# Altium PCB uTCA_MCH_PCB3.pcbdoc (part 20 of 25) (continued)
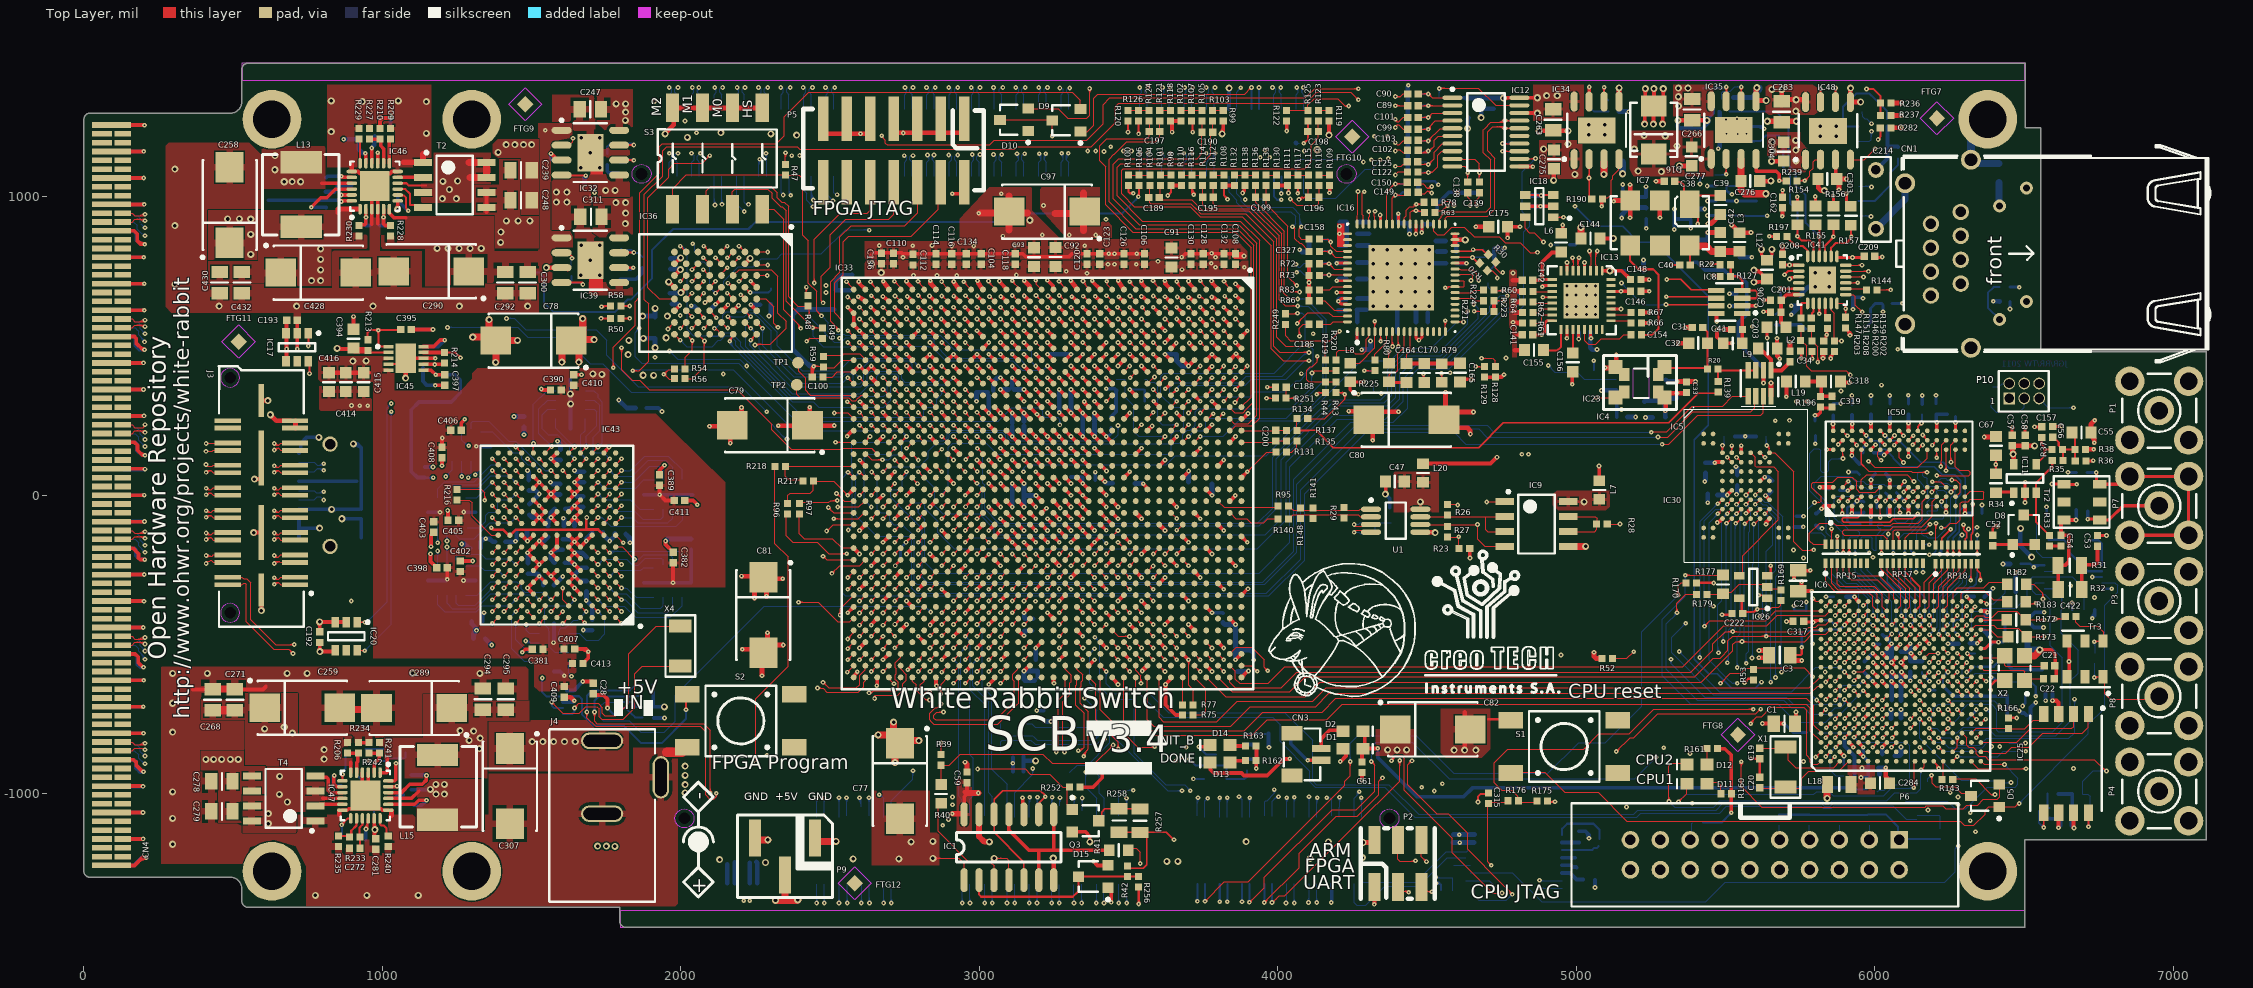
[diagram p0: Top Layer view]
## Nets (pads, with @x,y where several pads share a name; then routed paths per layer and width w, separated by ;. In a path a pad name is that pad's centre, name@x,y a point inside that pad or via, vN(x,y) a via of type N, cw(c..) or ccw(c..) an arc to the next point about the centre after c; other vN are vias at no path point) (continued)
Q2_K_N: IC33.AH24 IC43.A6 | length 2014.8
  Top Layer w3.94: IC43.A6@1584.65,-409.45 v1(1604.33,-389.76) ; v1@1598.43,-389.76 cw(c1584.17,-389.76) 1594.25,-399.84 cw(c1604.33,-409.93) v1@1604.33,-395.67 ; v1(2795.27,-236.22) IC33.AH24@2814.96,-216.54 ; v1@2795.27,-230.32 ccw(c2795.27,-216.06) 2805.36,-226.14 ccw(c2815.44,-236.22) v1@2801.18,-236.22
  MidLayer4 w3.94: v1(1604.33,-389.76) 1618.11,-389.76 ; v1@1608.61,-393.84 cw(c1618.11,-402.89) 1618.11,-389.76 ; v1@1608.61,-385.69 ccw(c1618.11,-376.64) 1618.11,-389.76 ; v1@2789.37,-236.22 ccw(c2775.11,-236.22) 2785.19,-226.14 ccw(c2795.27,-216.06) v1@2795.27,-230.32 ; v1(2795.27,-236.22) 2768.7,-209.65 2750.6,-209.65 2745.69,-204.73 2726.75,-204.73 2721.83,-209.65 2711.23,-209.65 2707.1,-205.51 2686.6,-205.51 2680.1,-212.01 2673.82,-212.01 2650.59,-235.25 2650.59,-241.52 2643.1,-249.02 2632.5,-249.02 2624.42,-240.94 2485.84,-240.94 2456.12,-270.66 2456.12,-277.78 2465.39,-287.05 2465.39,-305.93 2441.73,-329.59 2422.85,-329.59 2391.31,-298.04 2384.19,-298.04 2368.86,-313.38 2368.86,-320.49 2378.13,-329.77 2378.13,-348.65 2360.72,-366.06 2262.99,-366.06 2257.52,-371.53 2257.52,-413.56 2244.17,-426.91 2210.72,-426.91 2197.37,-413.56 2197.37,-368.95 2192.34,-363.92 2170.65,-363.92 2165.62,-368.95 2165.62,-413.56 2152.27,-426.91 2118.81,-426.91 2105.46,-413.56 2105.46,-368.95 2100.43,-363.92 2078.74,-363.92 2073.71,-368.95 2073.71,-413.56 2060.36,-426.91 2026.91,-426.91 2013.56,-413.56 2013.56,-368.95 2008.53,-363.92 1986.84,-363.92 1981.81,-368.95 1981.81,-413.56 1968.46,-426.91 1935,-426.91 1921.65,-413.56 1921.65,-368.95 1916.62,-363.92 1882.14,-363.92 1850.65,-395.42 1820.58,-395.42 1808.52,-407.48 1779.53,-407.48 1767.59,-419.42 1767.59,-422.39 1762.82,-427.17 1748.49,-427.17 1743.72,-422.39 1743.72,-412.26 1738.94,-407.48 1724.62,-407.48 1719.84,-412.26 1719.84,-416.99 1715.07,-421.77 1700.74,-421.77 1695.97,-416.99 1695.97,-412.26 1691.19,-407.48 1677.16,-407.48 1672.09,-412.55 1664.81,-419.83 1648.18,-419.83 1635.83,-407.48 1618.11,-389.76
Q2_K_P: IC33.AH23 IC43.B6 | length 2000.9
  Top Layer w3.94: v1(1564.96,-389.76) IC43.B6@1584.65,-370.08 ; v1@1564.96,-383.86 ccw(c1564.96,-369.6) 1575.04,-379.68 ccw(c1585.12,-389.76) v1@1570.87,-389.76 ; v1(2795.27,-196.85) IC33.AH23@2814.96,-177.17 ; v1@2795.27,-190.95 ccw(c2795.27,-176.69) 2805.36,-186.77 ccw(c2815.44,-196.85) v1@2801.18,-196.85
  MidLayer4 w3.94: v1@1564.96,-383.86 ccw(c1564.96,-369.6) 1575.04,-379.68 ccw(c1585.12,-389.76) v1@1570.87,-389.76 ; v1@1566.93,-387.8 1587.04,-367.69 1632,-367.69 1636.36,-372.05 1808.52,-372.05 1817.68,-381.21 1844.76,-381.21 1876.26,-349.72 1922.5,-349.72 1935.86,-363.07 1935.86,-407.68 1940.89,-412.71 1962.57,-412.71 1967.6,-407.68 1967.6,-363.07 1980.95,-349.72 2014.41,-349.72 2027.76,-363.07 2027.76,-407.68 2032.79,-412.71 2054.48,-412.71 2059.51,-407.68 2059.51,-363.07 2072.86,-349.72 2106.32,-349.72 2119.67,-363.07 2119.67,-407.68 2124.7,-412.71 2146.38,-412.71 2151.41,-407.68 2151.41,-363.07 2164.77,-349.72 2198.22,-349.72 2211.57,-363.07 2211.57,-407.68 2216.6,-412.71 2238.29,-412.71 2243.32,-407.68 2243.32,-366.88 2257.13,-353.07 2353.62,-353.07 2363.93,-342.77 2363.93,-335.65 2354.65,-326.38 2354.65,-307.5 2378.31,-283.84 2397.19,-283.84 2428.74,-315.39 2435.85,-315.39 2451.19,-300.05 2451.19,-292.94 2441.91,-283.66 2441.91,-264.78 2479.95,-226.74 2629.18,-226.74 2632.5,-223.43 2642.32,-223.43 2663.78,-201.97 2663.78,-192.14 2671.86,-184.06 2682.46,-184.06 2689.71,-191.31 2703.98,-191.31 2711.23,-184.06 2721.83,-184.06 2728.31,-190.53 2744.13,-190.53 2750.6,-184.05 2782.48,-184.05 v1(2795.27,-196.85) ; v1@2789.37,-196.85 ccw(c2775.11,-196.85) 2785.19,-186.77 ccw(c2795.27,-176.69) v1@2795.27,-190.95
Q2_Q0: IC33.AE19 IC43.P11 | length 2033.7
  Top Layer w3.94: v1@1368.11,116.14 cw(c1368.11,101.88) 1378.19,111.97 cw(c1388.27,122.05) v1@1374.02,122.05 ; v1(1368.11,122.05) IC43.P11@1387.8,102.36 ; v1(2913.39,-39.37) IC33.AE19@2933.07,-19.68 ; v1@2913.39,-33.46 ccw(c2913.39,-19.21) 2923.47,-29.29 ccw(c2933.55,-39.37) v1@2919.29,-39.37
  MidLayer2 w3.94: v1@1368.11,116.14 cw(c1368.11,101.88) 1378.19,111.97 cw(c1388.27,122.05) v1@1374.02,122.05 ; v1(1368.11,122.05) 1387.8,102.36 1452.76,102.36 1466.54,116.14 1466.54,133.86 1477.19,144.51 1532.59,144.51 1548.05,159.97 1548.05,168.42 1741.83,362.2 2483.07,362.2 2592.14,253.13 2644.8,253.13 2660.25,237.68 2660.25,229.22 2675.71,213.76 2684.17,213.76 2699.62,198.31 2699.62,189.85 2709.53,179.94 2717.99,179.94 2738.99,158.94 2738.99,150.48 2745.95,143.52 2758.05,143.52 2780.11,121.46 2780.11,112.14 2796.6,95.65 2805.92,95.65 2812.99,88.58 2812.99,72.83 2826.77,59.06 2842.52,59.06 2890.92,10.65 2890.92,-16.91 v1(2913.39,-39.37) ; v1@2907.48,-39.37 ccw(c2893.23,-39.37) 2903.31,-29.29 ccw(c2913.39,-19.2) v1@2913.39,-33.46
Q2_Q1: IC33.AK19 IC43.M10 | length 2013.3
  Top Layer w3.94: v1@1407.48,37.4 cw(c1407.48,23.14) 1417.56,33.23 cw(c1427.64,43.31) v1@1413.39,43.31 ; v1(1407.48,43.31) IC43.M10@1427.17,23.62 ; v1(2716.54,-39.37) IC33.AK19@2736.22,-19.68 ; v1@2716.54,-33.46 ccw(c2716.54,-19.21) 2726.62,-29.29 ccw(c2736.7,-39.37) v1@2722.44,-39.37
  MidLayer2 w3.94: v1(1407.48,43.31) 1427.16,62.99 1529.82,62.99 1545.28,78.45 1545.28,86.61 1559.06,100.39 1576.77,100.39 1620.08,143.7 1620.08,165.35 1787.4,332.68 1820.34,332.68 1828.21,340.55 1838.36,340.55 1846.23,332.68 1860.92,332.68 1868.79,340.55 1878.94,340.55 1886.81,332.68 1901.5,332.68 1909.38,340.55 1919.52,340.55 1927.4,332.68 1942.08,332.68 1949.96,340.55 1960.1,340.55 1967.98,332.68 1982.67,332.68 1990.54,340.55 2000.69,340.55 2008.56,332.68 2023.25,332.68 2031.12,340.55 2041.27,340.55 2049.14,332.68 2063.83,332.68 2071.71,340.55 2081.85,340.55 2089.73,332.68 2104.41,332.68 2112.29,340.55 2122.43,340.55 2130.31,332.68 2145,332.68 2152.87,340.55 2163.02,340.55 2170.89,332.68 2185.58,332.68 2193.45,340.55 2203.6,340.55 2211.47,332.68 2226.16,332.68 2234.04,340.55 2244.18,340.55 2252.06,332.68 2266.75,332.68 2274.62,340.55 2284.76,340.55 2292.64,332.68 2307.33,332.68 2315.2,340.55 2325.35,340.55 2333.22,332.68 2347.91,332.68 2355.78,340.55 2365.93,340.55 2373.8,332.68 2388.49,332.68 2396.37,340.55 2406.51,340.55 2414.39,332.68 2429.08,332.68 2436.95,340.55 2447.1,340.55 2454.97,332.68 2474.88,332.68 2572.3,235.26 2572.3,225.4 2623.31,174.39 2644.8,174.39 2657.48,161.71 2657.48,76.77 2671.26,62.99 2726.38,62.99 2738.19,51.18 2738.19,35.43 2726.38,23.62 2712.6,23.62 ; v1@1407.48,49.21 ccw(c1407.48,63.47) 1417.56,53.39 ccw(c1427.64,43.31) v1@1413.39,43.31 ; 2696.76,7.96 2712.25,23.44 ; 2696.85,7.87 2696.85,-19.69 v1(2716.54,-39.37) ; v1@2710.63,-39.37 ccw(c2696.38,-39.37) 2706.46,-29.29 ccw(c2716.54,-19.2) v1@2716.54,-33.46
Q2_Q2: IC33.AN18 IC43.L11 | length 1994.4
  Top Layer w3.94: v1@1368.11,-1.97 cw(c1368.11,-16.23) 1378.19,-6.14 cw(c1388.27,3.94) v1@1374.02,3.94 ; v1(1368.11,3.94) IC43.L11@1387.8,-15.75 ; v1(2598.43,0) IC33.AN18@2618.11,19.69 ; v1@2598.43,5.91 ccw(c2598.43,20.16) 2608.51,10.08 ccw(c2618.59,0) v1@2604.33,0
  MidLayer2 w3.94: v1@1368.11,-1.97 cw(c1368.11,-16.23) 1378.19,-6.14 cw(c1388.27,3.94) v1@1374.02,3.94 ; v1(1368.11,3.94) 1387.79,-15.75 1569.19,-15.75 1601.73,16.8 1601.73,56.16 1619.24,73.67 1619.24,91.68 1631.89,104.33 1649.61,104.33 ; 1649.75,104.18 1666.16,120.59 1666.16,129.05 1681.62,144.51 1690.08,144.51 1705.53,159.97 1705.53,168.42 1714.86,177.75 1714.86,184.92 1710.9,188.89 1710.9,196.06 1718.07,203.23 1725.25,203.23 1738.59,189.89 1745.76,189.89 1752.94,197.06 1752.94,204.24 1739.59,217.58 1739.59,224.76 1746.77,231.93 1753.94,231.93 1757.9,227.97 1765.08,227.97 1772.25,235.14 1772.25,242.32 1768.29,246.28 1768.29,253.45 1775.46,260.63 1782.64,260.63 1786.6,256.66 1793.77,256.66 1800.95,263.84 1800.95,271.01 1796.99,274.97 1796.99,282.15 1804.16,289.32 1811.33,289.32 1815.3,285.36 1822.47,285.36 1844.2,307.09 1855.98,307.09 1859.92,311.02 1872.34,311.02 1880.21,303.15 1892.63,303.15 1900.5,311.02 1912.92,311.02 1916.86,307.09 1937.15,307.09 1941.08,311.02 1953.5,311.02 1961.37,303.15 1973.79,303.15 1981.67,311.02 1994.08,311.02 2001.96,303.15 2014.37,303.15 2022.25,311.02 2034.67,311.02 2042.54,303.15 2054.96,303.15 2062.83,311.02 2075.25,311.02 2083.12,303.15 2095.54,303.15 2103.41,311.02 2115.83,311.02 2123.71,303.15 2136.12,303.15 2144,311.02 2156.41,311.02 2164.29,303.15 2174.47,303.15 2188.59,317.27 2231.33,317.27 2245.45,303.15 2257.87,303.15 2265.74,311.02 2278.16,311.02 2286.04,303.15 2298.45,303.15 2306.33,311.02 2318.74,311.02 2326.62,303.15 2339.04,303.15 2346.91,311.02 2359.33,311.02 2367.2,303.15 2379.62,303.15 2383.56,307.09 2390.95,307.09 2444.1,253.94 2450.79,253.94 2459.92,244.81 2471.05,244.81 2478.23,237.63 2478.23,230.46 2476.25,228.48 2474.27,226.5 2474.27,219.32 2481.44,212.15 2492.58,212.15 2503.94,200.79 2518.01,200.79 2547.87,170.92 2547.87,163.75 2543.91,159.79 2543.91,152.61 2551.08,145.44 2558.26,145.44 2562.22,149.4 2569.39,149.4 2576.77,142.02 2576.77,70.87 2598.42,49.21 ; v1(2598.43,0) 2616.14,17.72 2616.14,31.5 2598.43,49.21 ; v1@2598.43,5.91 ccw(c2598.43,20.16) 2608.51,10.08 ccw(c2618.59,0) v1@2604.33,0
Q2_Q3: IC33.AD20 IC43.K11 | length 1997.8
  Top Layer w3.94: v1@1368.11,-41.34 cw(c1368.11,-55.6) 1378.19,-45.51 cw(c1388.27,-35.43) v1@1374.02,-35.43 ; v1(1368.11,-35.43) IC43.K11@1387.8,-55.12 ; v1(2952.76,-78.74) IC33.AD20@2972.44,-59.06 ; v1@2952.76,-72.83 ccw(c2952.76,-58.58) 2962.84,-68.66 ccw(c2972.92,-78.74) v1@2958.66,-78.74
  MidLayer2 w3.94: v1@1368.11,-41.34 cw(c1368.11,-55.6) 1378.19,-45.51 cw(c1388.27,-35.43) v1@1374.02,-35.43 ; v1(1368.11,-35.43) 1390.57,-57.89 1453.85,-57.89 1469.31,-73.35 1469.31,-81.81 1489.87,-102.36 2023.38,-102.36 2031.26,-94.49 2041.4,-94.49 2046.48,-99.56 2046.48,-105.16 2051.55,-110.24 2061.7,-110.24 2066.77,-105.16 2066.77,-99.56 2071.84,-94.49 2081.99,-94.49 2087.06,-99.56 2087.06,-105.16 2092.13,-110.24 2102.28,-110.24 2107.35,-105.16 2107.35,-99.56 2112.42,-94.49 2122.57,-94.49 2127.64,-99.56 2127.64,-105.16 2132.72,-110.24 2142.86,-110.24 2147.93,-105.16 2147.93,-99.56 2153.01,-94.49 2163.15,-94.49 2168.22,-99.56 2168.22,-105.16 2173.3,-110.24 2183.44,-110.24 2188.52,-105.16 2188.52,-99.56 2193.59,-94.49 2203.73,-94.49 2208.81,-99.56 2208.81,-105.16 2213.88,-110.24 2224.03,-110.24 2229.1,-105.16 2229.1,-99.56 2234.17,-94.49 2244.32,-94.49 2249.39,-99.56 2249.39,-105.16 2254.46,-110.24 2264.61,-110.24 2269.68,-105.16 2269.68,-99.56 2274.75,-94.49 2284.9,-94.49 2289.97,-99.56 2289.97,-105.16 2295.05,-110.24 2305.19,-110.24 2310.26,-105.16 2310.26,-99.56 2315.34,-94.49 2325.48,-94.49 2330.56,-99.56 2330.56,-105.16 2335.63,-110.24 2345.77,-110.24 2350.85,-105.16 2350.85,-99.56 2355.92,-94.49 2366.07,-94.49 2371.14,-99.56 2371.14,-105.16 2376.21,-110.24 2386.36,-110.24 2394.23,-102.36 2401.57,-102.36 2419.41,-120.2 2419.41,-131.33 2426.58,-138.51 2437.72,-138.51 2454.72,-155.51 2600.98,-155.51 2637.67,-118.82 2686.3,-118.82 2703.92,-101.2 2803.43,-101.2 2865.85,-101.2 2867.82,-99.23 2880.2,-99.23 2882.17,-101.2 2930.3,-101.2 v1(2952.76,-78.74) ; 2942.67,-88.82 ccw(c2932.59,-78.74) v1@2946.85,-78.74 ; 2942.68,-88.82 cw(c2952.76,-98.9) v1@2952.76,-84.65
Q2_Q4: IC33.AK21 IC43.J10 | length 1990.1
  Top Layer w3.94: v1@1407.48,-80.71 cw(c1407.48,-94.97) 1417.56,-84.88 cw(c1427.64,-74.8) v1@1413.39,-74.8 ; v1(1407.48,-74.8) IC43.J10@1427.17,-94.49 ; v1(2716.78,-117.62) IC33.AK21@2735.97,-98.43 ; v1@2716.78,-111.71 ccw(c2716.78,-97.46) 2726.86,-107.54 ccw(c2736.94,-117.62) v1@2722.68,-117.62
  MidLayer2 w3.94: v1@1407.48,-80.71 cw(c1407.48,-94.97) 1417.56,-84.88 cw(c1427.64,-74.8) v1@1413.39,-74.8 ; v1(1407.48,-74.8) 1446.85,-114.17 1921.26,-114.17 1933.07,-125.98 1990.98,-125.98 2003.93,-138.93 2003.93,-144.53 2009,-149.61 2019.14,-149.61 2024.22,-144.53 2024.22,-123.18 2029.29,-118.11 2039.44,-118.11 2044.51,-123.18 2044.51,-144.53 2049.58,-149.61 2059.73,-149.61 2064.8,-144.53 2064.8,-123.18 2069.87,-118.11 2080.02,-118.11 2085.09,-123.18 2085.09,-144.53 2090.16,-149.61 2100.31,-149.61 2105.38,-144.53 2105.38,-123.18 2110.46,-118.11 2120.6,-118.11 2125.67,-123.18 2125.67,-144.53 2130.75,-149.61 2140.89,-149.61 2145.97,-144.53 2145.97,-123.18 2151.04,-118.11 2161.18,-118.11 2166.26,-123.18 2166.26,-144.53 2171.33,-149.61 2181.47,-149.61 2186.55,-144.53 2186.55,-123.18 2191.62,-118.11 2201.77,-118.11 2206.84,-123.18 2206.84,-144.53 2211.91,-149.61 2222.06,-149.61 2227.13,-144.53 2227.13,-123.18 2232.2,-118.11 2242.35,-118.11 2247.42,-123.18 2247.42,-144.53 2252.49,-149.61 2262.64,-149.61 2267.71,-144.53 2267.71,-123.18 2272.79,-118.11 2282.93,-118.11 2288,-123.18 2288,-144.53 2293.08,-149.61 2303.22,-149.61 2308.3,-144.53 2308.3,-123.18 2313.37,-118.11 2323.51,-118.11 2328.59,-123.18 2328.59,-144.53 2333.66,-149.61 2343.81,-149.61 2348.88,-144.53 2348.88,-123.18 2353.95,-118.11 2364.1,-118.11 2369.17,-123.18 2369.17,-144.53 2374.24,-149.61 2384.39,-149.61 2389.46,-144.53 2389.46,-138.93 2394.53,-133.86 2407.48,-133.86 2438.98,-165.35 2604.17,-165.35 2641.49,-128.03 2706.61,-128.03 ; 2707.12,-127.52 cw(c2716.78,-137.18) v1@2716.78,-123.52 ; v1@2710.87,-117.66 cw(c2696.34,-117.75) 2706.61,-128.03 ; v1@2716.53,-118.11 2706.61,-128.03
Q2_Q5: IC33.AK22 IC43.F11 | length 1993
  Top Layer w3.94: v1(1368.11,-232.28) IC43.F11@1387.8,-212.6 ; v1@1368.11,-226.38 ccw(c1368.11,-212.12) 1378.19,-222.2 ccw(c1388.27,-232.28) v1@1374.02,-232.28 ; v1(2716.54,-157.48) IC33.AK22@2736.22,-137.8 ; v1@2716.54,-151.57 ccw(c2716.54,-137.32) 2726.62,-147.4 ccw(c2736.7,-157.48) v1@2722.44,-157.48
  MidLayer2 w3.94: v1@1363.93,-236.46 ccw(c1353.85,-246.54) 1353.85,-232.28 ccw(c1353.85,-218.03) v1@1363.93,-228.11 ; v1(1368.11,-232.28) 1334.65,-232.28 1326.77,-224.41 1326.77,-139.76 1340.55,-125.98 1369.7,-125.98 1377.57,-118.11 1387.72,-118.11 1392.79,-123.18 1392.79,-128.79 1397.86,-133.86 1408.01,-133.86 1415.88,-125.98 1891.73,-125.98 1940.39,-174.65 1961.77,-174.65 1966.84,-169.57 1966.84,-140.27 1971.91,-135.2 1982.06,-135.2 1987.13,-140.27 1987.13,-169.57 1992.2,-174.65 2002.35,-174.65 2007.42,-169.57 2007.42,-163.89 2012.49,-158.82 2022.64,-158.82 2027.71,-163.89 2027.71,-169.57 2032.79,-174.65 2042.93,-174.65 2048,-169.57 2048,-163.89 2053.08,-158.82 2063.22,-158.82 2068.3,-163.89 2068.3,-169.57 2073.37,-174.65 2083.51,-174.65 2088.59,-169.57 2088.59,-163.89 2093.66,-158.82 2103.8,-158.82 2108.88,-163.89 2108.88,-169.57 2113.95,-174.65 2124.1,-174.65 2129.17,-169.57 2129.17,-163.89 2134.24,-158.82 2144.39,-158.82 2149.46,-163.89 2149.46,-169.57 2154.53,-174.65 2164.68,-174.65 2169.75,-169.57 2169.75,-163.89 2174.82,-158.82 2184.97,-158.82 2190.04,-163.89 2190.04,-169.57 2195.12,-174.65 2205.26,-174.65 2210.33,-169.57 2210.33,-163.89 2215.41,-158.82 2225.55,-158.82 2230.63,-163.89 2230.63,-169.57 2235.7,-174.65 2245.84,-174.65 2250.92,-169.57 2250.92,-163.89 2255.99,-158.82 2266.14,-158.82 2271.21,-163.89 2271.21,-169.57 2276.28,-174.65 2286.43,-174.65 2291.5,-169.57 2291.5,-163.89 2296.57,-158.82 2306.72,-158.82 2311.79,-163.89 2311.79,-169.57 2316.86,-174.65 2327.01,-174.65 2332.08,-169.57 2332.08,-163.89 2337.15,-158.82 2347.3,-158.82 2352.37,-163.89 2352.37,-169.57 2357.45,-174.65 2367.59,-174.65 2372.66,-169.57 2372.66,-163.89 2377.74,-158.82 2387.88,-158.82 2392.96,-163.89 2392.96,-169.57 2398.03,-174.65 2607.9,-174.65 2642.79,-139.76 2683.36,-139.76 2701.08,-157.48 v1(2716.54,-157.48) ; 2702.27,-157.48 ccw(c2702.27,-143.22) v1@2712.36,-153.3 ; 2702.28,-157.48 cw(c2702.28,-171.73) v1@2712.36,-161.66
Q2_Q6: IC33.AP27 IC43.E11 | length 1996.6
  Top Layer w3.94: v1(1368.11,-271.65) IC43.E11@1387.8,-251.97 ; v1@1368.11,-265.75 ccw(c1368.11,-251.49) 1378.19,-261.57 ccw(c1388.27,-271.65) v1@1374.02,-271.65 ; v1@2529.29,-397.4 ccw(c2519.21,-387.32) 2533.46,-387.32 ccw(c2547.72,-387.32) v1@2537.64,-397.4 ; v1(2533.46,-401.57) 2533.46,-379.92 IC33.AP27@2578.74,-334.65
  MidLayer2 w3.94: v1@1368.11,-277.56 cw(c1368.11,-291.82) 1378.19,-281.74 cw(c1388.27,-271.65) v1@1374.02,-271.65 ; v1(1368.11,-271.65) 1389.76,-293.31 1571.16,-293.31 1587.42,-309.57 1587.42,-318.03 1600.39,-331 1600.39,-352.36 1632.02,-383.99 1632.02,-428.66 1690.4,-487.04 1702.11,-487.04 1707.51,-487.04 1716.46,-495.99 1716.46,-507.13 1725.07,-515.73 1736.21,-515.73 1745.16,-524.69 1745.16,-535.82 1753.77,-544.43 1759.51,-544.43 1764.9,-539.03 1770.64,-539.03 1779.25,-547.64 1779.25,-553.38 1773.86,-558.78 1773.86,-564.52 1782.46,-573.13 1788.2,-573.13 1790.9,-570.43 1793.6,-567.73 1799.34,-567.73 1807.95,-576.34 1807.95,-582.08 1802.55,-587.48 1802.55,-593.21 1811.16,-601.82 1822.3,-601.82 1832.68,-612.2 1872.47,-612.2 1880.35,-604.33 1892.52,-604.33 1896.58,-608.39 1896.58,-616.02 1900.64,-620.08 1912.81,-620.08 1916.87,-616.02 1916.87,-608.39 1920.93,-604.33 1933.1,-604.33 1937.16,-608.39 1937.16,-616.02 1941.22,-620.08 1953.39,-620.08 1957.45,-616.02 1957.45,-608.39 1961.51,-604.33 1973.69,-604.33 1977.74,-608.39 1977.74,-616.02 1981.8,-620.08 1993.98,-620.08 1998.04,-616.02 1998.04,-608.39 2002.09,-604.33 2014.27,-604.33 2018.33,-608.39 2018.33,-616.02 2022.38,-620.08 2034.56,-620.08 2038.62,-616.02 2038.62,-608.39 2042.68,-604.33 2054.85,-604.33 2058.91,-608.39 2058.91,-616.02 2062.97,-620.08 2075.14,-620.08 2079.2,-616.02 2079.2,-608.39 2083.26,-604.33 2095.43,-604.33 2099.49,-608.39 2099.49,-616.02 2103.55,-620.08 2115.72,-620.08 2119.78,-616.02 2119.78,-608.39 2123.84,-604.33 2136.02,-604.33 2140.07,-608.39 2140.07,-616.02 2144.13,-620.08 2156.31,-620.08 2160.37,-616.02 2160.37,-608.39 2164.42,-604.33 2176.6,-604.33 2180.66,-608.39 2180.66,-616.02 2184.72,-620.08 2196.89,-620.08 2200.95,-616.02 2200.95,-608.39 2205.01,-604.33 2217.18,-604.33 2221.24,-608.39 2221.24,-616.02 2225.3,-620.08 2237.47,-620.08 2241.53,-616.02 2241.53,-608.39 2245.59,-604.33 2254.13,-604.33 2257.2,-607.4 2257.2,-616.69 2260.59,-620.08 2283.31,-620.08 2287.48,-615.91 2287.48,-607.87 2291.02,-604.33 2298.35,-604.33 2302.4,-608.39 2302.4,-616.02 2306.46,-620.08 2318.64,-620.08 2322.7,-616.02 2322.7,-608.39 2326.75,-604.33 2338.93,-604.33 2346.8,-612.2 2407.48,-612.2 2484.25,-535.43 2484.25,-505.15 2533.46,-455.94 v1(2533.46,-401.57) ; v1@2529.29,-405.75 cw(c2519.21,-415.83) 2533.46,-415.83 cw(c2547.72,-415.83) v1@2537.64,-405.75
Q2_Q7: IC33.AG22 IC43.C10 | length 2099
  Top Layer w3.94: v1(1407.48,-350.39) IC43.C10@1427.17,-330.71 ; v1@1407.48,-344.49 ccw(c1407.48,-330.23) 1417.56,-340.31 ccw(c1427.64,-350.39) v1@1413.39,-350.39 ; v1(2834.65,-157.48) IC33.AG22@2854.33,-137.8 ; v1@2834.65,-151.57 ccw(c2834.65,-137.32) 2844.73,-147.4 ccw(c2854.81,-157.48) v1@2840.55,-157.48
  MidLayer2 w3.94: v1(1407.48,-350.39) 1421.26,-350.39 ; v1@1411.76,-354.47 cw(c1421.26,-363.52) 1421.26,-350.39 ; v1@1411.76,-346.32 ccw(c1421.26,-337.27) 1421.26,-350.39 ; 1542.32,-386.81 1542.32,-376.97 1534.45,-369.09 1520.67,-369.09 1512.79,-361.22 1512.79,-353.06 1493.4,-333.66 1437.99,-333.66 1421.26,-350.39 ; 1542.5,-386.99 1542.5,-398.8 1799.21,-655.51 2409.45,-655.51 2527.56,-537.4 2527.56,-524.61 2557.09,-495.08 2564.65,-495.08 2572.72,-487.01 2572.72,-480.05 2574.62,-478.15 2584.65,-478.15 2592.72,-486.22 2604.13,-486.22 2612.2,-478.15 2612.2,-466.73 2594.31,-448.84 2592.84,-448.84 2584.77,-440.77 2584.77,-429.35 2592.84,-421.28 2604.26,-421.28 2612.33,-429.35 2623.42,-429.35 2652.36,-400.41 2663.52,-400.41 2671.59,-408.48 2683,-408.48 2691.08,-400.41 2691.08,-389 2683,-380.92 2683,-368.38 2748.61,-302.77 2750,-302.77 ; 2750,-301.18 2821.85,-229.33 2821.85,-170.28 v1(2834.65,-157.48) ; v1@2828.74,-157.48 cw(c2814.48,-157.48) 2824.56,-167.56 cw(c2834.65,-177.64) v1@2834.65,-163.39
Q2_Q8: IC33.AD21 IC43.B11 | length 2045.2
  Top Layer w3.94: v1(1368.11,-389.76) IC43.B11@1387.8,-370.08 ; v1@1368.11,-383.86 ccw(c1368.11,-369.6) 1378.19,-379.68 ccw(c1388.27,-389.76) v1@1374.02,-389.76 ; v1(2952.76,-118.11) IC33.AD21@2972.44,-98.43 ; v1@2952.76,-112.2 ccw(c2952.76,-97.95) 2962.84,-108.03 ccw(c2972.92,-118.11) v1@2958.66,-118.11
  MidLayer1 w3.94: v1@1364.44,-394.39 cw(c1359.03,-401.19) 1367.72,-401.19 ; v1@1367.72,-390.16 1367.72,-401.18 ; v1@1371.26,-394.76 ccw(c1375.32,-401.19) 1367.72,-401.19 ; 2661.08,-220.43 2920.98,-220.43 2936.71,-204.71 2936.71,-133.37 v1@2952.36,-117.72 ; 2677.6,-220.08 2510.24,-220.08 2228.35,-501.97 2098.12,-501.97 2094.19,-505.91 2081.77,-505.91 2073.89,-498.03 2061.48,-498.03 2053.6,-505.91 2041.19,-505.91 2033.31,-498.03 2020.89,-498.03 2013.02,-505.91 2000.6,-505.91 1992.73,-498.03 1980.31,-498.03 1972.44,-505.91 1960.02,-505.91 1952.15,-498.03 1939.73,-498.03 1931.85,-505.91 1919.44,-505.91 1911.56,-498.03 1899.15,-498.03 1891.27,-505.91 1878.85,-505.91 1870.98,-498.03 1858.56,-498.03 1850.69,-505.91 1838.27,-505.91 1830.4,-498.03 1817.98,-498.03 1806.56,-509.45 1475.98,-509.45 1367.72,-401.18 ; 2941.33,-128.75 cw(c2952.76,-140.17) v1@2952.76,-124.02 ; 2943.23,-126.85 ccw(c2934.49,-118.11) v1@2946.85,-118.11
Q2_Q9: IC33.AC19 IC43.P9 | length 2009.6
  Top Layer w3.94: v1@1446.85,116.14 cw(c1446.85,101.88) 1456.93,111.97 cw(c1467.01,122.05) v1@1452.76,122.05 ; v1(1446.85,122.05) IC43.P9@1466.54,102.36 ; v1(2992.13,-39.37) IC33.AC19@3011.81,-19.68 ; v1@2992.13,-33.46 ccw(c2992.13,-19.21) 3002.21,-29.29 ccw(c3012.29,-39.37) v1@2998.03,-39.37
  MidLayer2 w3.94: v1@1442.67,126.22 ccw(c1432.59,136.3) 1446.85,136.3 ccw(c1461.11,136.3) v1@1451.03,126.22 ; v1(1446.85,122.05) 1446.85,137.51 1464.57,155.22 1507.59,155.22 1728.35,375.98 2493.5,375.98 2542.36,327.13 2563.03,327.13 2581.51,308.64 ; 2581.51,307.96 2596.97,292.5 2644.8,292.5 2660.25,277.05 2660.25,268.59 2675.71,253.13 2684.17,253.13 2694.07,243.23 2694.07,234.77 2715.08,213.76 2723.54,213.76 2738.99,198.31 2738.99,189.85 2748.9,179.94 2757.36,179.94 2778.36,158.94 2778.36,150.48 2788.27,140.57 2796.73,140.57 2817.73,119.57 2817.73,111.11 2831.73,97.11 2845.8,97.11 2859.73,83.19 2859.73,69.12 2948.53,-19.68 2972.44,-19.68 v1(2992.13,-39.37) ; v1@2986.22,-39.37 ccw(c2971.96,-39.37) 2982.04,-29.29 ccw(c2992.13,-19.21) v1@2992.13,-33.46
Q2_Q10: IC33.AF19 IC43.N9 | length 2000.4
  Top Layer w3.94: v1@1446.85,76.77 cw(c1446.85,62.51) 1456.93,72.6 cw(c1467.01,82.68) v1@1452.76,82.68 ; v1(1446.85,82.68) IC43.N9@1466.54,62.99 ; v1(2874.02,-39.37) IC33.AF19@2893.7,-19.68 ; v1@2874.02,-33.46 ccw(c2874.02,-19.21) 2884.1,-29.29 ccw(c2894.18,-39.37) v1@2879.92,-39.37
  MidLayer2 w3.94: v1(1446.85,82.68) 1463.76,99.59 1527.04,99.59 1548.05,120.59 1548.05,129.05 1557.96,138.96 1572.03,138.96 1609.18,176.1 1609.18,197.08 1616.35,204.26 1623.52,204.26 1625.5,202.28 1627.48,200.29 1634.66,200.29 1641.83,207.47 1641.83,214.64 1639.85,216.62 1637.87,218.6 1637.87,225.78 1645.05,232.95 1652.22,232.95 1654.2,230.97 1656.18,228.99 1663.35,228.99 1670.53,236.17 1670.53,243.34 1668.55,245.32 1666.57,247.3 1666.57,254.47 1673.74,261.65 1680.92,261.65 1684.88,257.69 1692.05,257.69 1699.23,264.86 1699.23,272.04 1697.24,274.02 1695.26,276 1695.26,283.17 1702.44,290.35 1709.61,290.35 1711.59,288.36 1713.57,286.38 1720.75,286.38 1727.92,293.56 1727.92,300.73 1725.94,302.71 1723.96,304.69 1723.96,311.87 1731.13,319.04 1738.31,319.04 1740.29,317.06 1742.27,315.08 1749.44,315.08 1756.62,322.25 1756.62,333.39 1773.62,350.39 2475.79,350.39 2581.51,244.67 2581.51,229.22 2592.41,218.33 2640.23,218.33 2660.25,198.31 2660.25,189.85 2670.16,179.94 2678.62,179.94 2699.62,158.94 2699.62,150.48 2715.08,135.02 2723.54,135.02 2732.28,126.28 2732.28,112.2 2750.59,93.9 2760.43,93.9 2778.36,75.97 2778.36,72.03 2820.87,29.53 2820.87,15.75 ; v1@1446.85,88.58 ccw(c1446.85,102.84) 1456.93,92.76 ccw(c1467.01,82.68) v1@1452.76,82.68 ; 2820.68,15.57 2820.68,-5.78 2834.59,-19.69 2854.33,-19.69 v1(2874.02,-39.37) ; v1@2868.11,-39.37 ccw(c2853.86,-39.37) 2863.94,-29.29 ccw(c2874.02,-19.2) v1@2874.02,-33.46
Q2_Q11: IC33.AL18 IC43.L10 | length 2005.9
  Top Layer w3.94: v1@1407.48,-1.97 cw(c1407.48,-16.23) 1417.56,-6.14 cw(c1427.64,3.94) v1@1413.39,3.94 ; v1(1407.48,3.94) IC43.L10@1427.17,-15.75 ; IC33.AL18@2696.85,19.69 v1(2716.54,39.37) ; v1@2710.63,39.37 cw(c2696.37,39.37) 2706.45,29.29 cw(c2716.54,19.21) v1@2716.54,33.46
  MidLayer2 w3.94: v1(1407.48,3.94) 1425.2,21.65 1567.22,21.65 1582.68,37.11 1582.68,86.61 1640.57,144.51 1650.71,144.51 1666.16,159.97 1666.16,168.42 1687.3,189.56 1687.3,196.74 1683.34,200.7 1683.34,207.87 1690.51,215.04 1697.69,215.04 1701.65,211.08 1708.82,211.08 1716,218.26 1716,225.43 1712.03,229.39 1712.03,236.57 1719.21,243.74 1726.38,243.74 1730.34,239.78 1737.52,239.78 1744.69,246.95 1744.69,254.13 1740.73,258.09 1740.73,265.26 1747.9,272.44 1755.08,272.44 1759.04,268.48 1766.21,268.48 1773.39,275.65 1773.39,282.82 1769.43,286.79 1769.43,293.96 1776.6,301.13 1783.78,301.13 1787.74,297.17 1794.91,297.17 1822.52,324.78 2452.78,324.78 2490.16,287.4 2490.16,275.3 2506.78,258.68 2521.14,258.68 2533.37,246.45 2540.54,246.45 2543.59,249.49 2548.32,249.49 2557.94,239.88 2557.94,235.15 2554.89,232.1 2554.89,224.93 2576.41,203.4 2576.41,196.23 2572.45,192.27 2572.45,185.1 2579.63,177.92 2586.8,177.92 2590.76,181.88 2597.94,181.88 2615.33,164.49 2615.33,150.44 2620.41,145.37 2626,145.37 2631.07,140.29 2631.07,130.15 2626,125.07 2620.41,125.07 2615.33,120 2615.33,109.18 2624.8,99.71 2624.8,89.57 2615.33,80.09 2615.33,61.83 2618.92,58.24 2626.09,58.24 2629.71,61.86 2636.88,61.86 2644.06,54.68 2644.06,47.51 2629.31,32.76 2629.31,25.59 2636.48,18.41 2643.66,18.41 2651.2,25.96 2658.71,33.46 2662.06,33.46 2667.96,39.37 v1(2716.54,39.37) ; v1@1407.48,9.84 ccw(c1407.48,24.1) 1417.56,14.02 ccw(c1427.64,3.94) v1@1413.39,3.94 ; v1@2712.36,35.19 ccw(c2702.28,25.11) 2702.28,39.37 ccw(c2702.28,53.63) v1@2712.36,43.55